# Altium PCB Two_rows_Inv.PcbDoc
Units mm, origin at the board's own origin, x right, y up, seen from the top; angles counter-clockwise.
Board outline 152.4 x 101.6 mm, 2 copper layers (Top Layer, Bottom Layer); 198 components, 170 nets, 726 pads, 0 vias.
Unrouted connection lines stored in the file: 508.
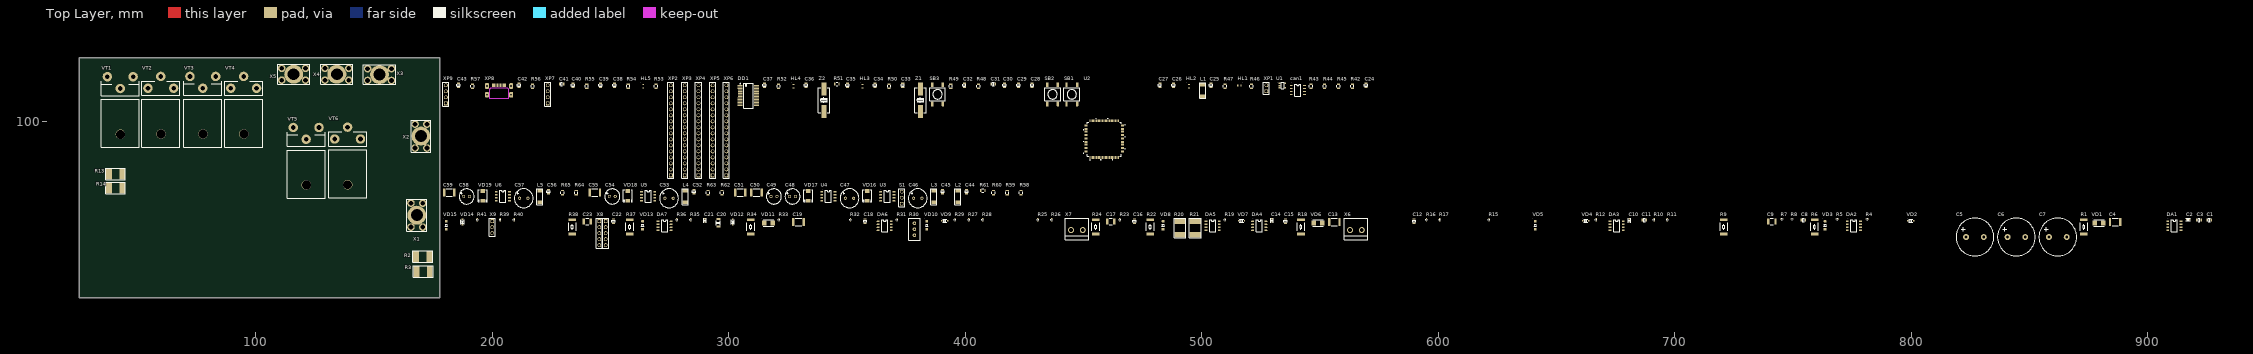
[diagram p0: Top Layer view]
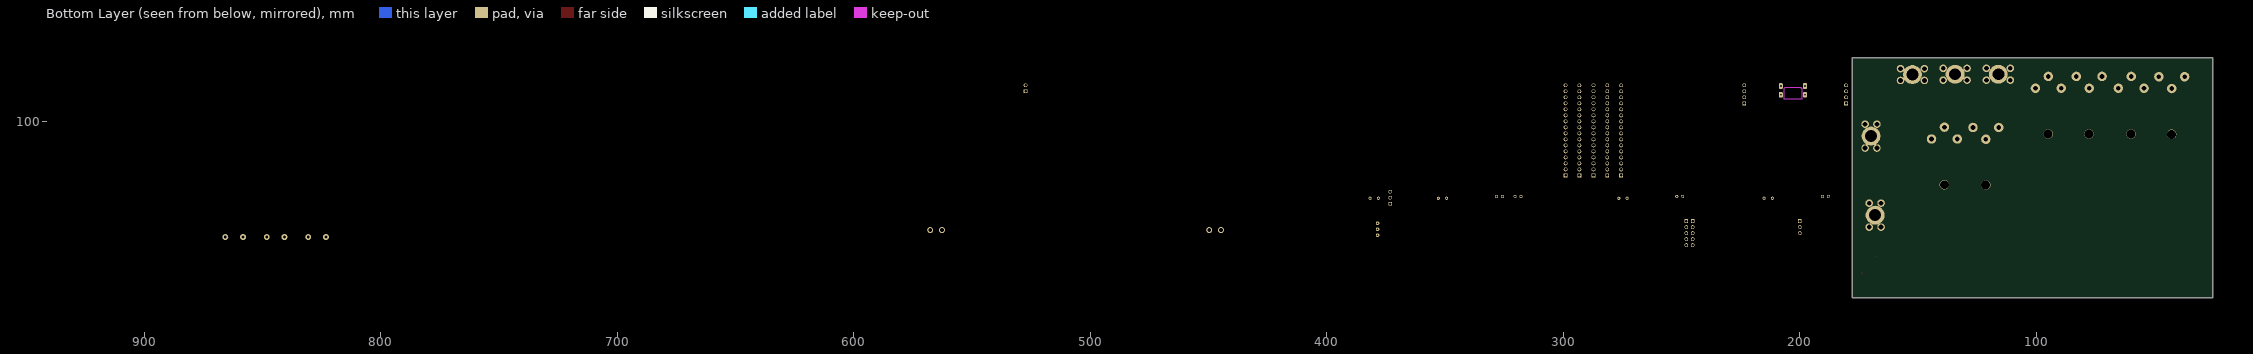
[diagram p1: Bottom Layer view, seen from below]

## Layer stack, top to bottom
Top Solder: solder mask 0.0102, Solder Resist, Dk 3.5
Top Layer: signal copper 0.0356
Dielectric 1: dielectric 0.32, FR-4, Dk 4.8
Bottom Layer: signal copper 0.0356
Bottom Solder: solder mask 0.0102, Solder Resist, Dk 3.5

## Board outline
25.4,25.4 177.8,25.4 177.8,127 25.4,127

## Design rules (kind name [scope] priority, off if disabled: settings)
Clearance [All] p1: gap=0.254 ignorepadtopadclearanceinfootprint=FALSE except(0: Arc-Hole Track-Hole SMDPad-Hole THPad-Hole Via-Hole Fill-Hole Poly-Hole Region-Hole Text-Hole)
PolygonConnect [All] p1: connectstyle=Relief reliefconductorwidth=0.254 reliefentries=4 polygonreliefangle="90 Angle" airgapwidth=0.254
RoutingVias [All] p1: holewidth=0.711 width=1.27 viastyle="Through Hole" minholewidth=0.711 minwidth=1.27 maxholewidth=0.711 maxwidth=1.27
SolderMaskExpansion [All] p1: expansion=0.102 istentingtop=FALSE
Width [All] p1: maxlimit=0.254 minlimit=0.254 preferedwidth=0.254
30 further rules are at their usual default settings.

## Classes and differential pairs
component class Sheet1: C24 C25 C26 C27 C28 C29 C30 C31 C32 C33 C34 C35 C36 C37 C38 C39 C40 C41 C42 C43 can1 DD1 HL1 HL2 HL3 HL4 HL5 L1 R42 R43 R44 R45 R46 R47 R48 R49 R50 R51 R52 R53 R54 R55 R56 R57 SB1 SB2 SB3 U1 U2 XP1 XP2 XP3 XP4 XP5 XP6 XP7 XP8 XP9 Z1 Z2
component class power_elements: C44 C45 C46 C47 C48 C49 C50 C51 C52 C53 C54 C55 C56 C57 C58 C59 L2 L3 L4 L5 R58 R59 R60 R61 R62 R63 R64 R65 S1 U3 U4 U5 U6 VD16 VD17 VD18 VD19
component class bridge: C1 C2 C3 C4 C5 C6 C7 C8 C9 C10 C11 C12 C13 C14 C15 C16 C17 C18 C19 C20 C21 C22 C23 DA1 DA2 DA3 DA4 DA5 DA6 DA7 R1 R2 R3 R4 R5 R6 R7 R8 R9 R10 R11 R12 R13 R14 R15 R16 R17 R18 R19 R20 R21 R22 R23 R24 R25 R26 R27 R28 R29 R30 R31 R32 R33 R34 R35 R36 R37 R38 R39 R40 R41 VD1 VD2 VD3 VD4 VD5 VD6 VD7 VD8 VD9 VD10 VD11 VD12 VD13 VD14 VD15 VT1 VT2 VT3 VT4 VT5 VT6 X1 X2 X3 X4 X5 X6 X7 X8 X9

## Components (designator, comment, footprint, x,y, rotation, side; value= is the part's Value field where it differs from the comment)
C1 "Capacitor" 0805 926.084,58.42 r0 top value="0.1 мкФ"
C2 "Capacitor" C0603C 917.194,58.547 r0 top value="0.1 мкФ"
C3 "Capacitor" 0805 921.766,58.42 r0 top value="10 мкФ"
C4 "Capacitor" 1812С 886.333,57.531 r0 top value="2.2 мкФ"
C5 "Сapacitor pol" CAP-10 827.024,51.181 r0 top value=470мкФ
C6 "Сapacitor pol" CAP-10 844.55,51.181 r0 top value=470мкФ
C7 "Сapacitor pol" CAP-10 862.076,51.181 r0 top value=470мкФ
C8 "Capacitor" 0805 754.507,58.42 r0 top value="0.47 мкФ"
C9 "Capacitor" 1210C 741.172,57.785 r0 top value="4.7 мкФ"
C10 "Capacitor" C0603C 680.974,58.166 r90 top value="0.1 мкФ"
C11 "Capacitor" 0805 687.197,58.42 r0 top value="10 мкФ"
C12 "Capacitor" 0805 589.915,57.912 r90 top value="0.1 мкФ"
C13 "Capacitor" 1812С 556.133,57.531 r0 top value="2.2 мкФ"
C14 "Capacitor" C0603C 529.844,58.166 r90 top value="0.1 мкФ"
C15 "Capacitor" 0805 535.559,57.912 r90 top value="10 мкФ"
C16 "Capacitor" 0805 471.678,57.912 r90 top value="0.47 мкФ"
C17 "Capacitor" 1210C 461.645,57.785 r0 top value="4.7 мкФ"
C18 "Capacitor" 0805 357.759,57.912 r90 top value="0.1 мкФ"
C19 "Capacitor" 1812С 329.565,57.531 r0 top value="2.2 мкФ"
C20 "Capacitor" C1206C 295.656,57.15 r90 top value=1нф
C21 "Capacitor" C0603C 290.068,58.166 r90 top value="0.1 мкФ"
C22 "Capacitor" 0805 251.333,57.912 r90 top value="0.47 мкФ"
C23 "Capacitor" 1210C 240.284,57.785 r0 top value="4.7 мкФ"
C24 "" C0805C 569.595,115.316 r90 top value=18pF
C25 "" C0805C 503.936,115.316 r90 top value=0.1uF
C26 "" C0805C 488.188,115.316 r90 top value=4.7uF
C27 "" C0805C 482.346,115.316 r90 top value=10uF
C28 "" C0805C 428.371,115.316 r90 top value=0.1uF
C29 "" C0805C 422.529,115.316 r90 top value=1uF
C30 "" C0805C 416.687,115.316 r90 top value=1uF
C31 "" C0805C 411.861,115.824 r0 top value=0.1uF
C32 "" C0805C 399.669,115.316 r90 top value=16pF
C33 "" C0805C 373.634,115.316 r90 top value=16pF
C34 "" C0805C 361.95,115.316 r90 top value=0.1uF
C35 "" C0805C 350.266,115.316 r90 top value=16pF
C36 "" C0805C 332.74,115.316 r90 top value=16pF
C37 "" C0805C 315.214,115.316 r90 top value=0.1uF
C38 "" C0805C 251.714,115.316 r90 top value=0.1uF
C39 "" C0805C 245.872,115.316 r90 top value=0.1uF
C40 "" C0805C 234.188,115.316 r90 top value=0.1uF
C41 "" C0805C 229.362,115.824 r0 top value=0.1uF
C42 "" C0805C 211.328,115.316 r90 top value=0.1uF
C43 "" C0805C 185.801,115.316 r90 top value=0.1uF
C44 "" C0805C 400.685,70.358 r90 top value=10nF
C45 "" C0805C 390.525,70.358 r90 top value=10nF
C46 "" CAP-8x12 379.984,67.564 r0 top value=220uF
C47 "" CAP-8x12 351.155,67.564 r0 top value=220uF
C48 "" CAP-К50-35 327.025,68.326 r0 top value=22uF
C49 "" CAP-К50-35 319.151,68.326 r0 top value=22uF
C50 "" C1812C 311.785,69.977 r0 top value=2.2uF
C51 "" C1812C 304.927,69.977 r0 top value=2.2uF
C52 "" C0805C 285.369,70.358 r90 top value=10nF
C53 "" CAP-8x12 274.828,67.564 r0 top value=220uF
C54 "" CAP-К50-35 250.825,68.326 r0 top value=22uF
C55 "" C1812C 243.459,69.977 r0 top value=2.2uF
C56 "" C0805C 223.901,70.358 r90 top value=10nF
C57 "" CAP-8x12 213.36,67.564 r0 top value=220uF
C58 "" CAP-К50-35 189.23,68.326 r0 top value=22uF
C59 "" C1812C 181.864,69.977 r0 top value=2.2uF
can1 "MAX3051ESA+" MAX3051ESA+ 540.766,113.157 r0 top
DA1 "AD623ARZ" SO8 911.352,55.88 r0 top
DA2 "IR2181STRPBF" SO8 775.843,55.88 r0 top
DA3 "AD623ARZ" SO8 675.513,55.88 r0 top
DA4 "AD623ARZ" SO8 524.383,55.88 r0 top
DA5 "IR2181STRPBF" SO8 504.698,55.88 r0 top
DA6 "LM393DT" SO8 366.014,55.88 r0 top
DA7 "IR2181STRPBF" SO8 272.923,55.88 r0 top
DD1 "PL2303TA" SSOP28_N 308.356,110.998 r0 top
HL1 "LED" C0603D 516.001,115.316 r0 top
HL2 "LED" C0603D 494.665,114.935 r90 top
HL3 "LED" C0603D 356.616,114.935 r90 top
HL4 "LED" C0603D 327.406,114.935 r90 top
HL5 "LED" C0603D 263.906,114.935 r90 top
L1 "" IND0488-G-E 500.507,110.744 r90 top value=22uH
L2 "" IND0488-G-E 397.002,65.786 r90 top value=22uH
L3 "" IND0488-G-E 386.842,65.786 r90 top value=22uH
L4 "" IND0488-G-E 281.686,65.786 r90 top value=22uH
L5 "" IND0488-G-E 220.218,65.786 r90 top value=22uH
R1 "Resistor" 2512R 873.125,55.499 r90 top value=100Ом
R2 "Resistor" 2816R 170.688,42.926 r0 top value=20мОм
R3 "Resistor" 2816R 170.815,36.576 r0 top value=20мОм
R4 "Resistor" 0402R 781.431,58.801 r0 top value=10кОм
R5 "Resistor" 0402R 768.858,58.801 r0 top value=11кОм
R6 "Resistor" 2512R 759.206,55.499 r90 top value=20Ом
R7 "Resistor" 0402R 745.363,58.801 r0 top value=20кОм
R8 "Resistor" 0402R 749.681,58.801 r0 top value=10кОм
R9 "Resistor" 2512R 720.852,55.499 r90 top value=20Ом
R10 "Resistor" 0402R 691.388,58.42 r90 top value=10кОм
R11 "Resistor" 0402R 696.976,58.42 r90 top value=10кОм
R12 "Resistor" 0402R 666.877,58.42 r90 top value=10кОм
R13 "Resistor" 2816R 40.767,77.851 r0 top value=20мОм
R14 "Resistor" 2816R 40.767,71.882 r0 top value=20мОм
R15 "Resistor" 0402R 621.538,58.42 r90 top value=11кОм
R16 "Resistor" 0402R 595.122,58.42 r90 top value=10кОм
R17 "Resistor" 0402R 600.71,58.42 r90 top value=10кОм
R18 "Resistor" 2512R 542.036,55.499 r90 top value=100Ом
R19 "Resistor" 0402R 509.905,58.42 r90 top value=10кОм
R20 "Resistor" 2816R 490.855,54.991 r90 top value=20мОм
R21 "Resistor" 2816R 497.332,54.991 r90 top value=20мОм
R22 "Resistor" 2512R 478.282,55.499 r90 top value=20Ом
R23 "Resistor" 0402R 465.455,58.42 r90 top value=11кОм
R24 "Resistor" 2512R 455.295,55.499 r90 top value=20Ом
R25 "Resistor" 0402R 430.784,58.42 r90 top value=10кОм
R26 "Resistor" 0402R 436.626,58.42 r90 top value=10кОм
R27 "Resistor" 0402R 401.574,58.42 r90 top value=10кОм
R28 "Resistor" 0402R 407.416,58.42 r90 top value=10кОм
R29 "Resistor" 0402R 395.732,58.42 r90 top value=10кОм
R30 "pot" 3296W 378.587,54.483 r90 top
R31 "Resistor" 0402R 371.221,58.42 r90 top value=75кОм
R32 "Resistor" 0402R 351.536,58.42 r90 top value=2.2кОм
R33 "Resistor" 0402R 321.31,58.42 r90 top value=2.2кОм
R34 "Resistor" 2512R 309.372,55.499 r90 top value=100Ом
R35 "Resistor" 0402R 283.972,58.42 r90 top value=2.2кОм
R36 "Resistor" 0402R 278.13,58.42 r90 top value=10кОм
R37 "Resistor" 2512R 258.191,55.499 r90 top value=20Ом
R38 "Resistor" 2512R 233.934,55.499 r90 top value=20Ом
R39 "Resistor" 0402R 203.454,58.42 r90 top value=10кОм
R40 "Resistor" 0402R 209.296,58.42 r90 top value=10кОм
R41 "Resistor" 0402R 193.802,58.42 r90 top value=10кОм
R42 "" C0805R 563.753,114.935 r90 top value=180k
R43 "" C0805R 546.227,114.935 r90 top value=820k
R44 "" C0805R 552.069,114.935 r90 top value=1k
R45 "" C0805R 557.911,114.935 r90 top value=100k
R46 "" C0805R 521.081,114.935 r90 top value=1k
R47 "" C0805R 509.905,114.935 r90 top value=120
R48 "" C0805R 405.638,114.935 r90 top value=4.7k
R49 "" C0805R 393.954,114.935 r90 top value=1k
R50 "" C0805R 367.919,114.935 r90 top value=62
R51 "" C0805R 345.821,115.824 r0 top value=1k
R52 "" C0805R 321.183,114.935 r90 top value=1k
R53 "" C0805R 269.24,114.935 r90 top value=22
R54 "" C0805R 257.556,114.935 r90 top value=22
R55 "" C0805R 240.03,114.935 r90 top value=1.5k
R56 "" C0805R 217.17,114.935 r90 top value=4.7k
R57 "" C0805R 191.643,114.935 r90 top value=4.7k
R58 "" C0805R 423.672,69.977 r90 top value=1.1k
R59 "" C0805R 417.83,69.977 r90 top value=910
R60 "" C0805R 411.988,69.977 r90 top value=9.1k
R61 "" C0805R 407.543,70.866 r0 top value=2.7k
R62 "" C0805R 297.18,69.977 r90 top value=1.1k
R63 "" C0805R 291.338,69.977 r90 top value=9.1k
R64 "" C0805R 235.585,69.977 r90 top value=1.1k
R65 "" C0805R 229.743,69.977 r90 top value=9.1k
S1 "" PLS-3 373.253,67.818 r90 top
SB1 "" TS-1170S 445.135,111.506 r90 top
SB2 "" TS-1170S 437.007,111.506 r90 top
SB3 "" TS-1170S 388.366,111.506 r90 top
U1 "NCP1529ASNT1G" NCP1529ASNT1G 534.162,115.189 r0 top
U2 "STM32F103V8T6" LQFP100-14x14mm 458.851,92.583 r90 top
U3 "LM22675MR-5.0" LM22675MR-5.0/NOPB 367.157,68.199 r0 top
U4 "LM22675MR-5.0" LM22675MR-5.0/NOPB 342.265,68.199 r0 top
U5 "LM22675MR-5.0" LM22675MR-5.0/NOPB 266.065,68.199 r0 top
U6 "LM22675MR-5.0" LM22675MR-5.0/NOPB 204.597,68.199 r0 top
VD1 "STPS2H100A" D0-124AC 879.475,57.15 r0 top
VD2 "BZX384-C12" SOD323 799.846,58.039 r0 top
VD3 "MBR0540" SOD123 763.651,56.134 r90 top
VD4 "BZX384-C12" SOD323 662.432,58.039 r0 top
VD5 "MBR0540" SOD123 641.096,56.134 r90 top
VD6 "STPS2H100A" D0-124AC 549.275,57.15 r0 top
VD7 "BZX384-C12" SOD323 516.89,58.039 r0 top
VD8 "MBR0540" SOD123 483.743,56.134 r90 top
VD9 "BZX384-C12" SOD323 391.414,58.039 r0 top
VD10 "MBR0540" SOD123 383.794,56.134 r90 top
VD11 "STPS2H100A" D0-124AC 316.865,57.15 r0 top
VD12 "BZX384-C12" SOD323 301.752,57.531 r90 top
VD13 "MBR0540" SOD123 263.652,56.134 r90 top
VD14 "BZX384-C12" SOD323 187.452,57.531 r90 top
VD15 "MBR0540" SOD123 180.594,56.134 r90 top
VD16 "" DO-214AA 358.648,68.58 r90 top
VD17 "" DO-214AA 333.756,68.58 r90 top
VD18 "" DO-214AA 257.429,68.58 r90 top
VD19 "" DO-214AA 195.961,68.58 r90 top
VT1 "IRFP4710PBF" TO247-2 42.749,113.965 r180 top
VT2 "IRFP4710PBF" TO247-1 59.894,114.092 r180 top
VT3 "IRFP4710PBF" TO247-2 77.674,114.092 r180 top
VT4 "IRFP4710PBF" TO247-1 94.946,114.092 r180 top
VT5 "IRFP4710PBF" TO247-2 121.362,92.502 r180 top
VT6 "IRFP4710PBF" TO247-1 138.888,92.629 r180 top
X1 "Connector-1" PCBM4 168.188,60.422 r270 top
X2 "Connector-1" PCBM4 169.926,93.853 r270 top
X3 "Connector-1_1" PCBM4 152.4,119.888 r180 top
X4 "Connector-1_1" PCBM4 134.366,120.015 r0 top
X5 "Connector-1_1" PCBM4 116.078,120.015 r0 top
X6 "" KF300-5-2 565.277,54.102 r0 top
X7 "" KF300-5-2 447.294,54.102 r0 top
X8 "PLS-2x5" PLS-2x5 248.031,52.832 r90 top
X9 "PLS-3" PLS3 200.025,55.372 r90 top
XP1 "" PLS-2 527.431,114.046 r90 top
XP2 "" PLS-16 275.59,96.266 r90 top
XP3 "" PLS-16 281.432,96.266 r90 top
XP4 "" PLS-16 287.274,96.266 r90 top
XP5 "" PLS-16 293.243,96.266 r90 top
XP6 "" PLS-16 299.085,96.266 r90 top
XP7 "" PLS-4 223.52,111.506 r90 top
XP8 "USB" USB_Micro-B_FCI_SMD 202.946,109.728 r0 top
XP9 "" PLS-4 180.467,111.506 r90 top
Z1 "" HC-49S 381.127,109.093 r90 top value=8MHz
Z2 "" HC-49S 340.36,109.093 r90 top value=12MHz

## Footprints (in the part's own frame and the unit in brackets; to place one, negate y for a bottom-side part, rotate by r counter-clockwise, add the part's x,y. Pads: shape width x height; smd on the part's side, far side on the other; paste and mask are expansions set on the pad)
0402R [mm]
  rect 0.4x0.6 smd: 1(-0.5,0) 2(0.5,0)
  silkscreen extent -0.2,-0.3 0.2,0.3, body extent -0.52,-0.3 0.52,0.3, height 0.34
0805 [mm]
  rect 0.6x1.3 smd: 1(-0.875,0) 2(0.875,0)
  silkscreen extent -0.4,-0.7 0.4,0.7, body extent -1,-0.6 1,0.6, height 0.8
1210C [mm]
  rect 1x2.5 smd: 1(1.5,0) 2(-1.5,0)
  silkscreen extent -0.6,-1.4 0.6,1.4, body extent -2,-1.3 2,1.3, height 1.6
1812С [mm]
  rect 1x3.35 smd: 1(-2.175,0) 2(2.175,0)
  silkscreen extent -1.3,-1.58 1.3,1.58, body extent -2.25,-1.6 2.25,1.6, height 1
2512R [mm]
  rect 1.2x3.2 smd: 1(-3,0) 2(3,0)
  silkscreen extent -1.73,-1.63 1.75,1.63, body extent -3.2,-1.6 3.2,1.6, height 0.55
2816R [mm]
  rect 2.45x4.7 smd: 1(-2.825,0) 2(2.825,0)
  silkscreen extent -4.2,-2.5 4.2,2.5
3296W [mm]
  round 1.5 hole 0.8: 1(2.54,0) 2(0,0) 3(-2.54,0)
  silkscreen extent -4.77,-2.45 4.72,2.37, body extent -4.77,-2.43 4.76,2.4, height 11.52
C0603C [mm]
  rect 0.5x0.8 smd: 1(-0.7,0) 2(0.7,0)
  silkscreen extent -0.97,-0.58 0.97,0.58, body extent -0.8,-0.4 0.8,0.4, height 0.5
C0603D [mm]
  rect 0.5x0.8 smd: 1(-0.7,0) 2(0.7,0)
  body extent -0.7,-0.41 0.7,0.41, height 0.45
C0805C [mm]
  rect 0.6x1.3 smd: 1(-0.875,0) 2(0.875,0)
  silkscreen extent -0.4,-0.7 0.4,0.7, body extent -1,-0.6 1,0.6, height 0.8
C0805R [mm]
  rect 0.6x1.3 smd: 1(-0.875,0) 2(0.875,0)
  silkscreen extent -0.4,-0.7 0.4,0.7, body extent -1,-0.6 1,0.6, height 0.5
C1206C [mm]
  rect 0.8x1.7 smd: 1(-1.6,0) 2(1.6,0)
  silkscreen extent -1,-0.9 1,0.9, body extent -1.7,-0.8 1.7,0.8, height 0.8
C1812C [mm]
  rect 1x3.35 smd: 1(-2.175,0) 2(2.175,0)
  silkscreen extent -1.3,-1.58 1.3,1.58, body extent -2.25,-1.6 2.25,1.6, height 1
CAP-8x12 [mm]
  round 1.3 hole 0.8: 1(-1.75,0) 2(1.75,0)
  silkscreen extent -4,-4 4,4
CAP-10 [mm]
  round 2.5 hole 1.2: 1(-3.75,0) 2(3.75,0)
  silkscreen extent -8,-8 8,8
CAP-К50-35 [mm]
  round 1.3 hole 0.8: 1(-1.25,0) 2(1.25,0)
  silkscreen extent -3.2,-3.2 3.2,3.2
D0-124AC [mm]
  rect 1.8x2.2 smd: A(1.8,0) C(-1.8,0)
  silkscreen extent -2.25,-1.4 2.25,1.4, body extent -2.47,-1.4 2.47,1.4, height 2.4
DO-214AA [mm] "Molded Diode, 2-Leads, Body 5,00x3,70mm, IPC High Density"
  rect 1.55x1.95 smd: A(2.025,0) C(-2.025,0)
  silkscreen extent -2.5,-1.9 2.5,1.9, body extent -2.97,-1.8 2.97,1.8, height 2.3
HC-49S [mm]
  rect 5.5x2 smd: 1(-4.75,0) 2(4.75,0)
  silkscreen extent -5.3,-2.4 5.3,2.4, body extent -6.18,-2.35 6.12,2.35, height 4.35
IND0488-G-E [mm]
  rect 1.5x2.2 smd: 1(0,0) 2(4.9,0)
  silkscreen extent -0.89,-1.27 5.71,1.27
KF300-5-2 [mm]
  round 2.5 hole 1.6: 1(2.5,0) 2(-2.5,0)
  silkscreen extent -5,-4.1 5,5
LM22675MR-5.0/NOPB [mm]
  rrect50% 1.2x0.6 smd: 1(-2.858,2.086) 2(-2.858,0.816) 3(-2.858,-0.454) 4(-2.858,-1.724) 5(2.73,-1.724) 6(2.73,-0.454) 7(2.73,0.816) 8(2.73,2.086)
  silkscreen extent -1.29,-2.36 1.25,2.72, body extent -3.13,-2.26 3,2.63, height 1.76
LQFP100-14x14mm [mil]
  rect 47x12 smd paste+0 mask+0: 1(-305.12,236.22) 2(-305.12,216.54) 3(-305.12,196.85) 4(-305.12,177.17) 5(-305.12,157.48) 6(-305.12,137.8) 7(-305.12,118.11) 8(-305.12,98.43) 9(-305.12,78.74) 10(-305.12,59.06) 11(-305.12,39.37) 12(-305.12,19.69) 13(-305.12,0) 14(-305.12,-19.69) 15(-305.12,-39.37) 16(-305.12,-59.06) 17(-305.12,-78.74) 18(-305.12,-98.43) 19(-305.12,-118.11) 20(-305.12,-137.8) 21(-305.12,-157.48) 22(-305.12,-177.17) 23(-305.12,-196.85) 24(-305.12,-216.54) 25(-305.12,-236.22) 51(305.12,-236.22) 52(305.12,-216.54) 53(305.12,-196.85) 54(305.12,-177.17) 55(305.12,-157.48) 56(305.12,-137.8) 57(305.12,-118.11) 58(305.12,-98.43) 59(305.12,-78.74) 60(305.12,-59.06) 61(305.12,-39.37) 62(305.12,-19.69) 63(305.12,0) 64(305.12,19.69) 65(305.12,39.37) 66(305.12,59.06) 67(305.12,78.74) 68(305.12,98.43) 69(305.12,118.11) 70(305.12,137.8) 71(305.12,157.48) 72(305.12,177.17) 73(305.12,196.85) 74(305.12,216.54) 75(305.12,236.22)
  rect 12x47 smd paste+0 mask+0: 26(-236.22,-305.12) 27(-216.54,-305.12) 28(-196.85,-305.12) 29(-177.17,-305.12) 30(-157.48,-305.12) 31(-137.8,-305.12) 32(-118.11,-305.12) 33(-98.43,-305.12) 34(-78.74,-305.12) 35(-59.06,-305.12) 36(-39.37,-305.12) 37(-19.68,-305.12) 38(0,-305.12) 39(19.68,-305.12) 40(39.37,-305.12) 41(59.06,-305.12) 42(78.74,-305.12) 43(98.43,-305.12) 44(118.11,-305.12) 45(137.8,-305.12) 46(157.48,-305.12) 47(177.17,-305.12) 48(196.85,-305.12) 49(216.54,-305.12) 50(236.22,-305.12) 76(236.22,305.12) 77(216.54,305.12) 78(196.85,305.12) 79(177.17,305.12) 80(157.48,305.12) 81(137.8,305.12) 82(118.11,305.12) 83(98.43,305.12) 84(78.74,305.12) 85(59.06,305.12) 86(39.37,305.12) 87(19.68,305.12) 88(0,305.12) 89(-19.68,305.12) 90(-39.37,305.12) 91(-59.06,305.12) 92(-78.74,305.12) 93(-98.43,305.12) 94(-118.11,305.12) 95(-137.8,305.12) 96(-157.48,305.12) 97(-177.17,305.12) 98(-196.85,305.12) 99(-216.54,305.12) 100(-236.22,305.12)
  silkscreen extent -351,-349 349,349, body extent 0,0 10,10, height 10
MAX3051ESA+ [mm]
  rrect50% 1.2x0.6 smd: 1(-2.858,2.086) 2(-2.858,0.816) 3(-2.858,-0.454) 4(-2.858,-1.724) 5(2.73,-1.724) 6(2.73,-0.454) 7(2.73,0.816) 8(2.73,2.086)
  silkscreen extent -1.29,-2.36 1.25,2.72, body extent -3.13,-2.26 3,2.63, height 1.76
NCP1529ASNT1G [mm]
  rrect25% 0.8x0.6 smd: 1(-1.168,0.972) 2(-1.168,0.022) 3(-1.168,-0.928) 4(1.232,-0.928) 5(1.232,0.972)
  silkscreen extent -0.48,-1.33 0.54,1.37, body extent -1.37,-1.43 1.43,1.47, height 1.44
PCBM4 [mm]
  round 3.2 hole 2: 1(-5.05,2.5) 1(-5.05,-2.5) 1(5.05,2.5) 1(5.05,-2.5)
  round 8 hole 5: 1(0,0)
  Top Layer region: -5.3,7.2
  Top Layer region: -5.3,7.2
  silkscreen extent -6.8,-4.2 6.8,4.2
PLS3 [mm]
  rect 1.6x1.6 hole 1.1: 1(2.54,0)
  round 1.6 hole 1.1: 2(0,0) 3(-2.54,0)
  silkscreen extent -3.81,-1.27 3.81,1.27, body extent -3.81,-1.27 3.81,1.27, height 8.5
PLS-2 [mm]
  rect 1.6x1.6 hole 1.1: 1(-1.27,0)
  round 1.6 hole 1.1: 2(1.27,0)
  silkscreen extent -2.54,-1.27 2.54,1.27, body extent -2.54,-1.27 2.54,1.27, height 8.5
PLS-2x5 [mm]
  rect 1.6x1.6 hole 1.1: 1(5.08,0) 6(5.08,2.7)
  round 1.6 hole 1.1: 2(2.54,0) 3(0,0) 4(-2.54,0) 5(-5.08,0) 7(2.54,2.7) 8(0,2.7) 9(-2.54,2.7) 10(-5.08,2.7)
  silkscreen extent -6.35,-1.27 6.35,3.97, body extent -6.35,-1.27 6.35,3.97, height 8.5
PLS-3 [mm]
  rect 1.6x1.6 hole 1.1: 1(-2.54,0)
  round 1.6 hole 1.1: 2(0,0) 3(2.54,0)
  silkscreen extent -3.81,-1.27 3.81,1.27, body extent -3.81,-1.27 3.81,1.27, height 8.5
PLS-4 [mm]
  rect 1.6x1.6 hole 1.1: 1(-3.81,0)
  round 1.6 hole 1.1: 2(-1.27,0) 3(1.27,0) 4(3.81,0)
  silkscreen extent -5.08,-1.27 5.08,1.27, body extent -5.08,-1.27 5.08,1.27, height 8.5
PLS-16 [mm]
  rect 1.6x1.6 hole 1.1: 1(-19.05,0)
  round 1.6 hole 1.1: 2(-16.51,0) 3(-13.97,0) 4(-11.43,0) 5(-8.89,0) 6(-6.35,0) 7(-3.81,0) 8(-1.27,0) 9(1.27,0) 10(3.81,0) 11(6.35,0) 12(8.89,0) 13(11.43,0) 14(13.97,0) 15(16.51,0) 16(19.05,0)
  silkscreen extent -20.32,-1.27 20.32,1.27, body extent -20.32,-1.27 20.32,1.27, height 8.5
SO8 [mm]
  rrect50% 1.2x0.6 smd: 1(-2.794,1.905) 2(-2.794,0.635) 3(-2.794,-0.635) 4(-2.794,-1.905) 5(2.794,-1.905) 6(2.794,-0.635) 7(2.794,0.635) 8(2.794,1.905)
  silkscreen extent -1.23,-2.55 1.31,2.53, body extent -3.07,-2.44 3.07,2.45, height 1.76
SOD123 [mm]
  rect 0.91x1.22 smd: A(-1.7,0)
  rrect50% 0.91x1.22 smd: C(1.7,0)
  silkscreen extent -0.5,-0.5 0.5,0.5, body extent -1.93,-0.9 1.93,0.9, height 1.22
SOD323 [mm]
  rrect25% 0.6x0.7 smd: A(1.25,0) C(-1.25,0)
  silkscreen extent -0.9,-0.7 0.9,0.7, body extent -1.3,-0.68 1.3,0.68, height 1.1
SSOP28_N [mm] "SOP, 28-Leads, Body 10.2x5.3mm, Pitch 0.65mm, IPC Medium Density"
  oval 2.1x0.45 smd: 1(-3.45,4.225) 2(-3.45,3.575) 3(-3.45,2.925) 4(-3.45,2.275) 5(-3.45,1.625) 6(-3.45,0.975) 7(-3.45,0.325) 8(-3.45,-0.325) 9(-3.45,-0.975) 10(-3.45,-1.625) 11(-3.45,-2.275) 12(-3.45,-2.925) 13(-3.45,-3.575) 14(-3.45,-4.225) 15(3.45,-4.225) 16(3.45,-3.575) 17(3.45,-2.925) 18(3.45,-2.275) 19(3.45,-1.625) 20(3.45,-0.975) 21(3.45,-0.325) 22(3.45,0.325) 23(3.45,0.975) 24(3.45,1.625) 25(3.45,2.275) 26(3.45,2.925) 27(3.45,3.575) 28(3.45,4.225)
  silkscreen extent -3.57,-5.3 2,5.3, body extent -4.08,-5.14 3.68,5.19, height 2.15
TO247-1 [mm]
  round 4 hole 3.8 unplated: 4(-0.05,19.35)
  round 4 hole 2: D(0,-5) G(5.45,0) S(-5.45,0)
  silkscreen extent -8,-3 8,24.9, body extent -7.5,-5.2 7.5,3, height 26.15
TO247-2 [mm]
  round 4 hole 3.8 unplated: 4(-0.05,19.35)
  round 4 hole 2: D(0,0) G(5.45,-5) S(-5.45,-5)
  silkscreen extent -8,-3 8,24.9, body extent -7.5,-5.2 7.5,3, height 26.15
TS-1170S [mm] "6.5x6.5mm SMD tact switch 7.0mm stem"
  round 0.508 on Mech15: 0(0,0)
  rrect25% 2x1 smd: 1(-4.05,2.25) 1(4.05,2.25) 2(-4.05,-2.25) 2(4.05,-2.25)
  silkscreen extent -2.79,-3.35 2.79,3.35, body extent -4,-3.25 4,3.25, height 7
USB_Micro-B_FCI_SMD [mm]
  round 0.508 on Mech15: 0(0,0)
  rrect20% 0.35x1.5 smd: 1(-1.3,5.6) 2(-0.65,5.6) 3(0,5.6) 4(0.65,5.6) 5(1.3,5.6)
  rrect50% 1.6x2.4 hole 0.8: 6(-5.1,1.6) 6(-5.1,5.3) 6(5.1,1.6) 6(5.1,5.3)
  rrect20% 1.2x1.5 smd: 6(-2.35,5.6) 6(2.35,5.6)
  Keep-Out Layer board cut-out: -3.9,0 -3.9,3.797 -3.839,4.103 -3.666,4.362 -3.406,4.536 -3.1,4.597 -3.1,4.597 3.1,4.597 3.406,4.536 3.666,4.362 3.839,4.103 3.9,3.797 3.9,3.797 3.9,0
  body extent -5.35,-21.58 5.35,5.8, height 4.67

## Part data
C24 C25 C26 C27 C28 C29 C30 C31 C32 C33 C34 C35 C36 C37 C38 C39 C40 C41 C42 C43 C44 C45 C50 C51 C52 C55 C56 C59: library part Cap, ComponentLink1Description="New link"
  C24: ComponentLink1URL=https://www.chipdip.ru/product/grm2165c1h180j
  C25 C28 C31 C34 C37 C38 C39 C40 C41 C42 C43: ComponentLink1URL=https://www.chipdip.ru/product0/43780
  C26: ComponentLink1URL=https://www.chipdip.ru/product/grm21br61e475ka12l
  C27: ComponentLink1URL=https://www.chipdip.ru/product0/9000671061
  C29 C30: ComponentLink1URL=https://www.chipdip.ru/product/grm21br71c105k
  C32 C33 C35 C36: ComponentLink1URL=https://www.chipdip.ru/product/grm2165c1h160j
  C44 C45 C52 C56: ComponentLink1URL=https://www.chipdip.ru/product/grm216r71h103k
  C50 C51 C55 C59: ComponentLink1URL=https://www.chipdip.ru/product0/9000144596
C46 C47 C48 C49 C53 C54 C57 C58: library part CapPol, ComponentLink1Description="New link"
  C46 C47 C53 C57: ComponentLink1URL=https://www.chipdip.ru/product0/9000565758
  C48 C49 C54 C58: ComponentLink1URL=https://www.chipdip.ru/product0/9000565851
DA1 DA3 DA4: library part AD623ARZ-R7, ComponentLink1Description="Product link", ComponentLink1URL=https://www.platan.ru/cgi-bin/qwery.pl/id=2010029983, Datasheet=https://doc.platan.ru/pdf/datasheets/analogdevices/AD623-877194.pdf
DA6: library part Comparator, ComponentLink1Description="Product link", ComponentLink1URL=https://www.chipdip.ru/product/lm393d-stm
L1 L2 L3 L4 L5: library part Inductor, ComponentLink1Description="New link"
  L1: ComponentLink1URL=https://www.chipdip.ru/product/b82472g6222m000-2.2
  L2 L3 L4 L5: ComponentLink1URL=https://www.chipdip.ru/product/b82472g6223m000-22
R1 R6 R9 R18 R22 R24 R34 R37 R38: Power=1Вт, ComponentLink1Description="Product link"
  R1 R18 R34: ComponentLink1URL=https://www.chipdip.ru/product0/9000189977
  R6 R9 R22 R24 R37 R38: ComponentLink1URL=https://www.chipdip.ru/product0/9000190063
R2 R3 R13 R14 R20 R21: Power=2В, ComponentLink1Description="Product link", ComponentLink1URL=https://www.platan.ru/cgi-bin/qwery.pl/id=224066896
R4 R7 R8 R10 R11 R12 R16 R17 R19 R25 R26 R27 R28 R29 R31 R32 R33 R35 R36 R39 R40 R41: Power=0.062, ComponentLink1Description="Product link"
  R4 R7 R8 R10 R11 R12 R16 R17 R19 R25 R26 R27 R28 R29 R36 R39 R40 R41: ComponentLink1URL=https://www.chipdip.ru/product0/9000189664
  R31: ComponentLink1URL=https://www.chipdip.ru/product0/9000189752
  R32 R33 R35: ComponentLink1URL=https://www.chipdip.ru/product0/9000189810
R42 R43 R44 R45 R46 R47 R48 R49 R50 R51 R52 R53 R54 R55 R56 R57 R58 R59 R60 R61 R62 R63 R64 R65: library part res, ComponentLink1Description="New link"
  R42: ComponentLink1URL=https://www.chipdip.ru/product0/9000079544
  R43: ComponentLink1URL=https://www.chipdip.ru/product0/9000079576
  R44 R46 R49 R51 R52: ComponentLink1URL=https://www.chipdip.ru/product0/9000079486
  R45: ComponentLink1URL=https://www.chipdip.ru/product0/9000079538
  R47: ComponentLink1URL=https://www.chipdip.ru/product0/9000079464
  R48 R56 R57: ComponentLink1URL=https://www.chipdip.ru/product0/9000079502
  R50: ComponentLink1URL=https://www.chipdip.ru/product0/9000079457
  R53 R54: ComponentLink1URL=https://www.chipdip.ru/product0/9000079446
  R55: ComponentLink1URL=https://www.chipdip.ru/product0/9000079490
  R58 R62 R64: ComponentLink1URL=https://www.chipdip.ru/product0/9000079487
  R59: ComponentLink1URL=https://www.chipdip.ru/product0/9000079485
  R60 R63 R65: ComponentLink1URL=https://www.chipdip.ru/product0/9000079513
  R61: ComponentLink1URL=https://www.chipdip.ru/product0/9000079496
S1: library part jump
SB1 SB2 SB3: library part SW-PB-2, ComponentLink1Description="New link", ComponentLink1URL=https://www.chipdip.ru/product/tyco-1571563-9-fsm8jsmatr
U2: "No Description Available", Built_By=EMA_UL_Team, Copyright="Copyright (C) 2018 Accelerated Designs. All rights reserved", Manufacturer_Part_Number=STM32F103V8T6, RefDes=RefDes, SourceLibrary=Updates_to_database_2020-10-19, Type=DEV, Vendor=STMicroelectronics
U3 U4 U5 U6: library part LM22675MR-5.0/NOPB, ComponentLink1Description="New link", ComponentLink1URL=https://www.chipdip.ru/product/lm22675mr-5.0-nopb-2
VD1 VD6 VD11: library part "Bootstrap diode", ComponentLink1Description="Product link", ComponentLink1URL=https://www.chipdip.ru/product/stps2h100a-2
VD2 VD4 VD7 VD9 VD12 VD14: library part "Zener diode", ComponentLink1Description="Product link", ComponentLink1URL=https://www.chipdip.ru/product/bzx384-c12.115
VD3 VD5 VD8 VD10 VD13 VD15: library part Diode, ComponentLink1Description="Product link", ComponentLink1URL=https://www.chipdip.ru/product/mbr0540
VD16 VD17 VD18 VD19: library part DIODE, ComponentLink1Description="New link", ComponentLink1URL=https://www.chipdip.ru/product/sk16-diotec
VT1 VT2 VT3 VT4 VT5 VT6: library part N-MOSFET, ComponentLink1Description="Product link", ComponentLink1URL=https://www.chipdip.ru/product/irfp4710pbf
X6: library part Connector-2, Value 1=GND, Value 2=+12В, ComponentLink1Description="Product link", ComponentLink1URL=https://www.chipdip.ru/product/stps2h100a-2
X7: library part Connector-2, Value 1=GND, Value 2=+5B, ComponentLink1Description="Product link", ComponentLink1URL=https://www.chipdip.ru/product/stps2h100a-2
XP1: library part Connector-2
XP2 XP3 XP4 XP5 XP6: library part Connector-16
XP7 XP9: library part Connector-4
XP8: library part Connector-5, ComponentLink1Description="New link", ComponentLink1URL=https://www.chipdip.ru/product/micro-usb-5s-b
Z1 Z2: library part XTAL, ComponentLink1Description="New link"
  Z1: ComponentLink1URL=https://www.chipdip.ru/product0/9000523942
  Z2: ComponentLink1URL=https://www.chipdip.ru/product/12mhz-hc-49sm
C1 C12 C18: ComponentLink1Description="Product link", ComponentLink1URL=https://www.chipdip.ru/product/grm219f51h104z
C2 C10 C14 C21: ComponentLink1Description="Product link", ComponentLink1URL=https://www.chipdip.ru/product0/9000591947
C3 C11 C15: ComponentLink1Description="Product link", ComponentLink1URL=https://www.chipdip.ru/product0/9000671061
C4 C13 C19: ComponentLink1Description="Product link", ComponentLink1URL=https://www.chipdip.ru/product0/9000144596
C5 C6 C7: ComponentLink1Description="Product link", ComponentLink1URL=https://www.chipdip.ru/product0/9000565913
C8 C16 C22: ComponentLink1Description="Product link", ComponentLink1URL=https://www.chipdip.ru/product/grm21bf51e474z
C9 C17 C23: ComponentLink1Description="Product link", ComponentLink1URL=https://www.chipdip.ru/product/grm32er71h475ka88l
C20: ComponentLink1Description="Product link", ComponentLink1URL=https://www.chipdip.ru/product/grm319r71h102k
can1: ComponentLink1Description="New link", ComponentLink1URL=https://www.chipdip.ru/product/max3051esa-maxim
DA2 DA5 DA7: ComponentLink1Description="Product link", ComponentLink1URL=https://www.chipdip.ru/product/ir2181strpbf-h-l-driver-600
DD1: ComponentLink1Description="New link", ComponentLink1URL=https://www.chipdip.ru/product/pl2303ta
R5 R15 R23: ComponentLink1Description="Product link", ComponentLink1URL=https://www.chipdip.ru/product0/9000189841
R30: ComponentLink1Description="Product link", ComponentLink1URL=https://www.chipdip.ru/product/3296w-1-103
U1: ComponentLink1Description="New link", ComponentLink1URL=https://www.chipdip.ru/product/ncp1529asnt1g
X1: ComponentLink1Description="Product link", Name=+АКБ
X2: ComponentLink1Description="Product link", Name=GND
X3: ComponentLink1Description="Product link", Name="Фаза А"
X4: ComponentLink1Description="Product link", Name="Фаза B"
X5: ComponentLink1Description="Product link", Name="Фаза C"
X8 X9: ComponentLink1Description="Product link"

## Nets (pads, with @x,y where several pads share a name; then routed paths per layer and width w, separated by ;. In a path a pad name is that pad's centre, name@x,y a point inside that pad or via, vN(x,y) a via of type N, cw(c..) or ccw(c..) an arc to the next point about the centre after c; other vN are vias at no path point)
+5: C2.2 C3.2 C10.2 C11.2 C14.2 C15.2 C21.1 C25.2 C26.1 C37.1 can1.3 DA1.7 DA3.7 DA4.7 DA6.8 DD1.11 DD1.20 R8.2 R30.1 S1.2 U1.4 X7.1 XP6.2 XP6.3 XP6.4 XP6.5 XP6.6
+12: C8.2 C16.2 C22.2 C46.1 C53.1 C57.1 DA2.5 DA5.5 DA7.5 L2.2 L4.2 L5.2 R1.2 R18.2 R34.2 R60.2 R63.2 R65.2 X6.1
+VM: C5.1 C6.1 C7.1 C9.2 C17.2 C23.2 C48.1 C49.1 C50.1 C51.1 C54.1 C55.1 C58.1 C59.1 U3.7 U4.7 U5.7 U6.7 VT1.D VT3.D VT5.D X1.1
AH: DA2.1 R11.1 U2.40 X8.1
AL: DA2.2 R10.1 U2.39 X8.6
BH: DA5.1 R28.1 U2.42 X8.2
BL: DA5.2 R27.1 U2.41 X8.7
CAN_RX: can1.4 U2.70
CAN_TX: can1.1 U2.71
CH: DA7.1 R40.1 U2.44 X8.3
CL: DA7.2 R39.1 U2.43 X8.8
Current_A: DA1.3 R2.1 R3.1 R12.2 R32.1 VD5.C VT2.S | length 0.1
  Top Layer w0.254: R2.1 R2.1@167.94,43.003
Current_A_out: DA1.6 X8.4
Current_B: DA3.3 R13.1 R14.1 R29.2 R33.1 VD10.C VT4.S
Current_B_out: DA3.6 X8.5
Current_C: DA4.3 R20.1 R21.1 R35.1 R41.2 VD15.C VT6.S
Current_C_out: DA4.6 X8.9
D+: R54.2 R55.2 XP8.3
D-: R53.2 XP8.2
ext3: C30.1 C31.2 C38.1 C39.2 C40.1 C41.1 C42.1 C43.1 DD1.4 DD1.17 DD1.19 L1.1 R17.2 R26.2 R31.2 R48.1 R49.1 R56.1 R57.1 SB2.2 U2.6 U2.11 U2.22 U2.28 U2.50 U2.75 U2.100 XP6.7 XP6.8 XP6.9 XP6.10 XP6.11
ext5: S1.1 XP7.2 XP8.1 XP9.2
GND: C2.1 C3.1 C10.1 C11.1 C14.1 C15.1 C20.1 C21.2 C25.1 C26.2 C27.2 C28.2 C29.2 C30.2 C32.2 C33.2 C34.2 C35.2 C36.2 C37.2 C38.2 C39.1 C40.2 C41.2 C42.2 C43.2 can1.2 DA1.4 DA3.4 DA4.4 DA6.4 DD1.7 DD1.9 DD1.10 DD1.18 DD1.21 DD1.22 DD1.23 DD1.25 DD1.26 HL1.2 HL2.2 HL3.2 HL4.2 HL5.2 R7.1 R10.2 R11.2 R16.1 R25.1 R27.2 R28.2 R30.3 R39.2 R40.2 R42.1 R45.1 SB1.2 SB3.2 U1.2 U2.10 U2.19 U2.20 U2.27 U2.49 U2.74 U2.99 X7.2 X9.1 X9.2 X9.3 XP6.12 XP6.13 XP6.14 XP6.15 XP6.16 XP7.1 XP8.5 XP9.1
NetC1_2: C1.2 C4.1 DA2.8 VD1.C
NetC12_2: C12.2 C13.1 DA5.8 VD6.C
NetC18_2: C18.2 C19.1 DA7.8 VD11.C
NetC20_2: C20.2 DA6.3 R31.1 R32.2 R33.2 R35.2
NetC24_1: C24.1 C27.1 R43.2
NetC24_2: C24.2 R42.2 R43.1 U1.5
NetC28_1: C28.1 SB1.1 U2.14
NetC29_1: C29.1 U2.21
NetC31_1: C31.1 SB2.1 U2.94
NetC32_1: C32.1 U2.12 Z1.2
NetC33_1: C33.1 R50.1 Z1.1
NetC34_1: C34.1 R48.2 SB3.1 U2.57
NetC44_1: C44.1 U3.1
NetC44_2: C44.2 L2.1 U3.8 VD16.C
NetC45_1: C45.1 U4.1
NetC45_2: C45.2 L3.1 U4.8 VD17.C
NetC47_1: C47.1 L3.2 R61.2 S1.3
NetC52_1: C52.1 U5.1
NetC52_2: C52.2 L4.1 U5.8 VD18.C
NetC56_1: C56.1 U6.1
NetC56_2: C56.2 L5.1 U6.8 VD19.C
Netcan1_6: can1.6 R47.1 XP1.2
Netcan1_7: can1.7 R47.2 XP1.1
Netcan1_8: can1.8 R45.2
NetDA1_1: DA1.1 R5.2
NetDA1_5: DA1.5 R7.2 R8.1
NetDA1_8: DA1.8 R5.1
NetDA2_4: DA2.4 R9.2
NetDA2_7: DA2.7 R6.2
NetDA3_1: DA3.1 R15.2
NetDA3_5: DA3.5 R16.2 R17.1
NetDA3_8: DA3.8 R15.1
NetDA4_1: DA4.1 R23.2
NetDA4_5: DA4.5 R25.2 R26.1
NetDA4_8: DA4.8 R23.1
NetDA5_4: DA5.4 R24.2
NetDA5_7: DA5.7 R22.2
NetDA6_2: DA6.2 R30.2
NetDA7_4: DA7.4 R38.2
NetDA7_7: DA7.7 R37.2
NetDD1_13: DD1.13 R57.2
NetDD1_14: DD1.14 R56.2
NetDD1_15: DD1.15 R54.1
NetDD1_16: DD1.16 R53.1
NetHL1_1: HL1.1 R44.1
NetHL2_1: HL2.1 R46.1
NetHL3_1: HL3.1 R49.2
NetHL4_1: HL4.1 R51.2
NetHL5_1: HL5.1 R52.2
NetL1_2: L1.2 U1.3
NetR1_1: R1.1 VD1.A
NetR4_1: R4.1 R6.1 VD2.C VT1.G
NetR9_1: R9.1 R12.1 VD4.C VT2.G
NetR18_1: R18.1 VD6.A
NetR19_1: R19.1 R22.1 VD7.C VT3.G
NetR24_1: R24.1 R29.1 VD9.C VT4.G
NetR34_1: R34.1 VD11.A
NetR36_1: R36.1 R37.1 VD12.C VT5.G
NetR38_1: R38.1 R41.1 VD14.C VT6.G
NetR50_2: R50.2 U2.13
NetR51_1: R51.1 U2.58
NetR52_1: R52.1 U2.59
NetR58_2: R58.2 R60.1 U3.4
NetR59_2: R59.2 R61.1 U4.4
NetR62_2: R62.2 R63.1 U5.4
NetR64_2: R64.2 R65.1 U6.4
NetVD2_A: VD2.A VD3.A
NetVD4_A: VD4.A VD5.A
NetVD7_A: VD7.A VD8.A
NetVD9_A: VD9.A VD10.A
NetVD12_A: VD12.A VD13.A
NetVD14_A: VD14.A VD15.A
OutA: C1.1 C4.2 DA2.6 R4.2 VD3.C VT1.S VT2.D X3.1
OutB: C12.1 C13.2 DA5.6 R19.2 VD8.C VT3.S VT4.D X4.1
OutC: C18.1 C19.2 DA7.6 R36.2 VD13.C VT5.S VT6.D X5.1
Overcurrent_signal: DA6.1 X8.10
PA0: U2.23 XP5.1
PA1: U2.24 XP5.2
PA2: U2.25 XP5.3
PA3: U2.26 XP5.4
PA4: U2.29 XP5.5
PA5: U2.30 XP5.6
PA6: U2.31 XP5.7
PA7: U2.32 XP5.8
PA8: U2.67 XP5.9
PA15: U2.77 XP4.14
PB0: U2.35 XP2.1
PB1: U2.36 XP2.2
PB2: U2.37 XP2.3
PB3: U2.89 XP2.4
PB4: U2.90 XP2.5
PB5: U2.91 XP2.6
PB6: U2.92 XP2.7
PB7: U2.93 XP2.8
PB8: U2.95 XP2.9
PB9: U2.96 XP2.10
PB10: U2.47 XP2.11
PB11: U2.48 XP2.12
PB12: U2.51 XP2.13
PB13: U2.52 XP2.14
PB14: U2.53 XP2.15
PB15: U2.54 XP2.16
PC0: U2.15 XP3.1
PC1: U2.16 XP3.2
PC2: U2.17 XP3.3
PC3: U2.18 XP3.4
PC4: U2.33 XP3.5
PC5: U2.34 XP3.6
PC6: U2.63 XP3.7
PC7: U2.64 XP3.8
PC8: U2.65 XP3.9
PC9: U2.66 XP3.10
PC10: U2.78 XP3.11
PC11: U2.79 XP3.12
PC12: U2.80 XP3.13
PC13: U2.7 XP3.14
PC14: U2.8 XP3.15
PC15: U2.9 XP3.16
PD0: U2.81 XP4.1
PD1: U2.82 XP4.2
PD2: U2.83 XP4.3
PD3: U2.84 XP4.4
PD4: U2.85 XP4.5
PD5: U2.86 XP4.6
PD6: U2.87 XP4.7
PD7: U2.88 XP4.8
PD8: U2.55 XP4.9
PD9: U2.56 XP4.10
PD13: U2.60 XP4.11
PD14: U2.61 XP4.12
PD15: U2.62 XP4.13
PE0: U2.97 XP5.10
PE1: U2.98 XP5.11
PE2: U2.1 XP5.12
PE3: U2.2 XP5.13
PE4: U2.3 XP5.14
PE5: U2.4 XP5.15
PE6: U2.5 XP5.16
PE7: U2.38 XP6.1
PE14: U2.45 XP4.15
PE15: U2.46 XP4.16
Power_GND: C5.2 C6.2 C7.2 C8.1 C9.1 C16.1 C17.1 C22.1 C23.1 C46.2 C47.2 C48.2 C49.2 C50.2 C51.2 C53.2 C54.2 C55.2 C57.2 C58.2 C59.2 DA1.2 DA2.3 DA3.2 DA4.2 DA5.3 DA7.3 R2.2 R3.2 R13.2 R14.2 R20.2 R21.2 R58.1 R59.1 R62.1 R64.1 U3.6 U4.6 U5.6 U6.6 VD16.A VD17.A VD18.A VD19.A X2.1 X6.2 | length 1.1
  Top Layer w0.254: R3.2@173.64,35.451 R3.2
SWCLK: U2.76 XP7.4
SWDIO: U2.72 XP7.3
UART1_RX: DD1.5 R44.2 U2.69 XP9.4
UART1_TX: DD1.1 R46.2 U2.68 XP9.3
XI: C35.1 DD1.28 Z2.2
XO: C36.1 DD1.27 Z2.1
pads on no net: can1.5 DA6.5 DA6.6 DA6.7 DD1.2 DD1.3 DD1.6 DD1.8 DD1.12 DD1.24 R55.1 SB1.0 SB2.0 SB3.0 U1.1 U2.73 U3.2 U3.3 U3.5 U4.2 U4.3 U4.5 U5.2 U5.3 U5.5 U6.2 U6.3 U6.5 VT1.4 VT2.4 VT3.4 VT4.4 VT5.4 VT6.4 XP8.0 XP8.4 XP8.6

## Text inside footprints (layer, text, board x,y; h text height)
U2: Mechanical 7 "Default Padstyle: r119_30" at 473.802,84.645 h1.27 r90; Mechanical 7 "Alt 1 Padstyle: b152_229h76" at 478.374,84.01 h1.27 r90; Mechanical 7 "Alt 2 Padstyle: b229_152h76" at 479.898,84.01 h1.27 r90; Mechanical 7 "0.02in/0.5mm" at 453.418,78.775 h0.64 r90; Mechanical 7 "0.61in/15.5mm" at 459.168,102.581 h0.64 r90; Mechanical 7 "0.61in/15.5mm" at 469.865,90.519 h0.64 r90; Mechanical 7 "0.559in/14.199mm" at 470.436,90.043 h0.64 r90; Mechanical 7 "0.559in/14.199mm" at 459.168,76.553 h0.64 r90